# Altium PCB MiGo_V4.0.PcbDoc (part 1 of 2)
Units mm, origin at the board's own origin, x right, y up, seen from the top; angles counter-clockwise.
Board outline 40.15 x 60.15 mm, 4 copper layers (Top Layer, GND, VCC, Bottom Layer), stack 0.98 mm thick; 120 components, 87 nets, 464 pads, 291 vias.
Unrouted connection lines stored in the file: 87.
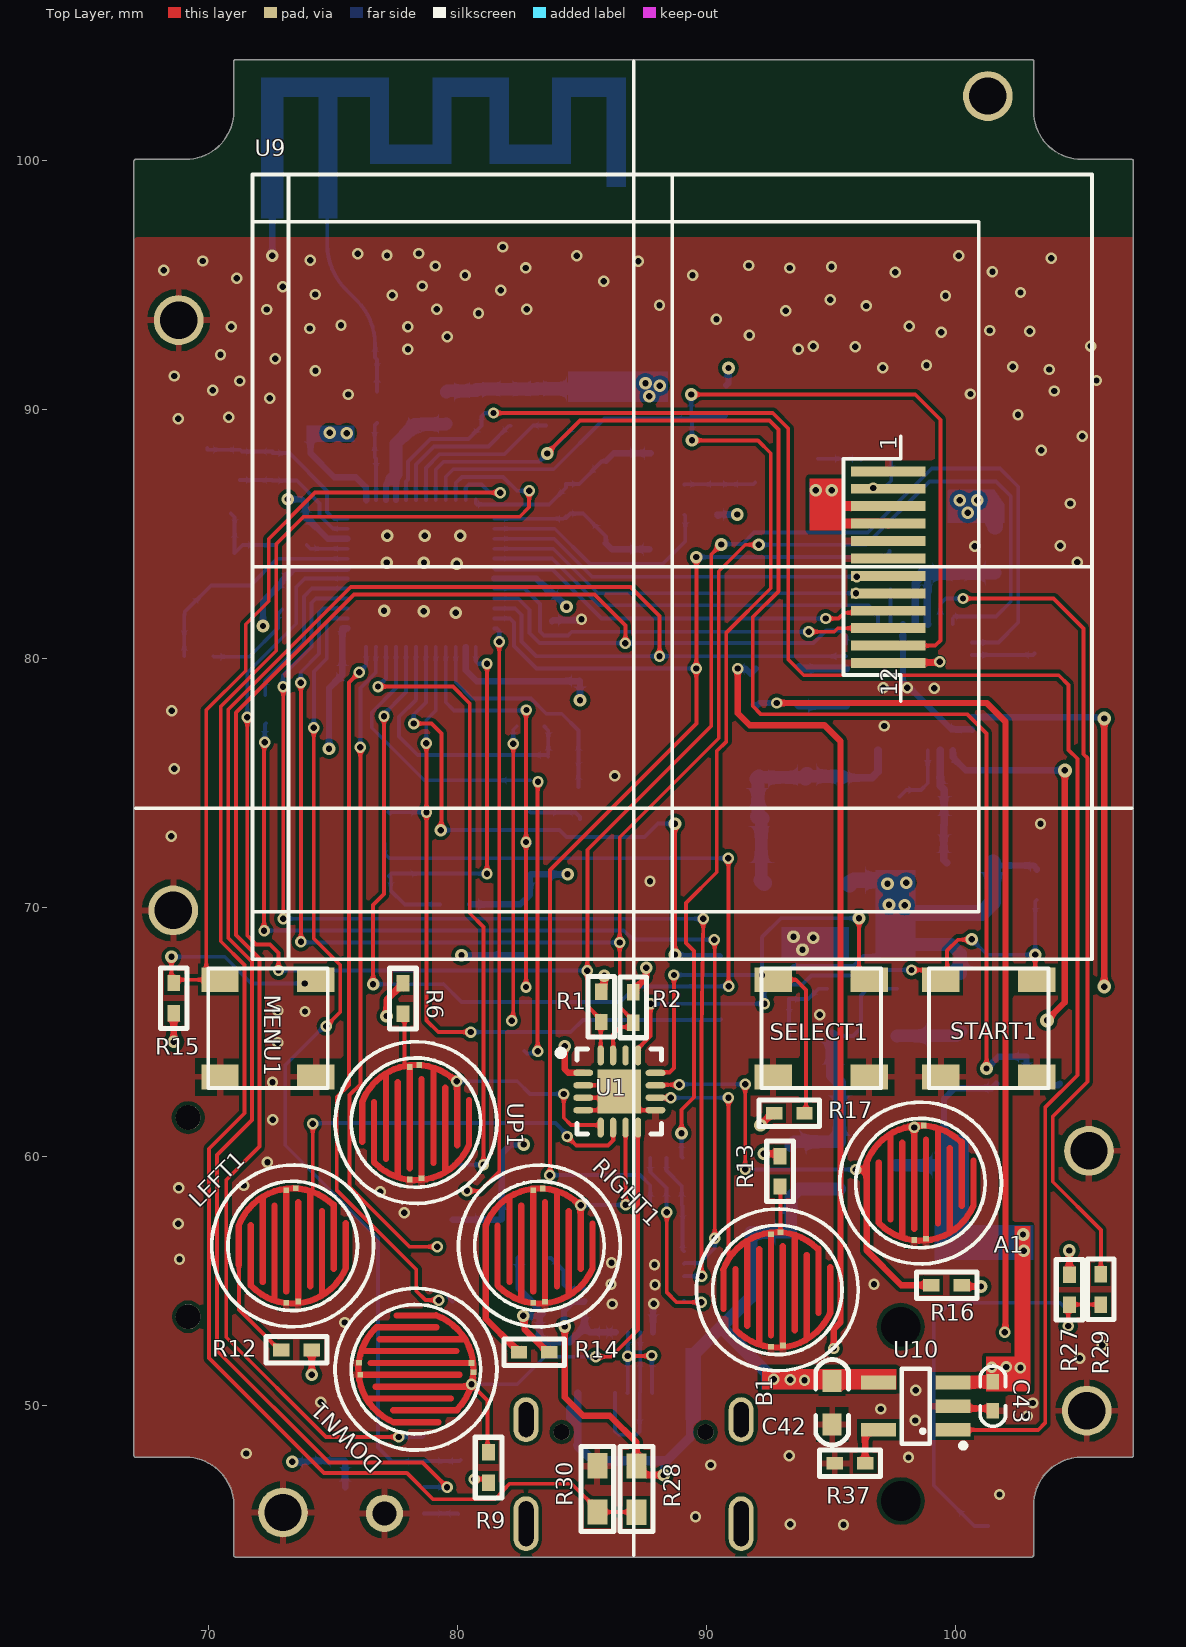
[diagram p0: Top Layer view]
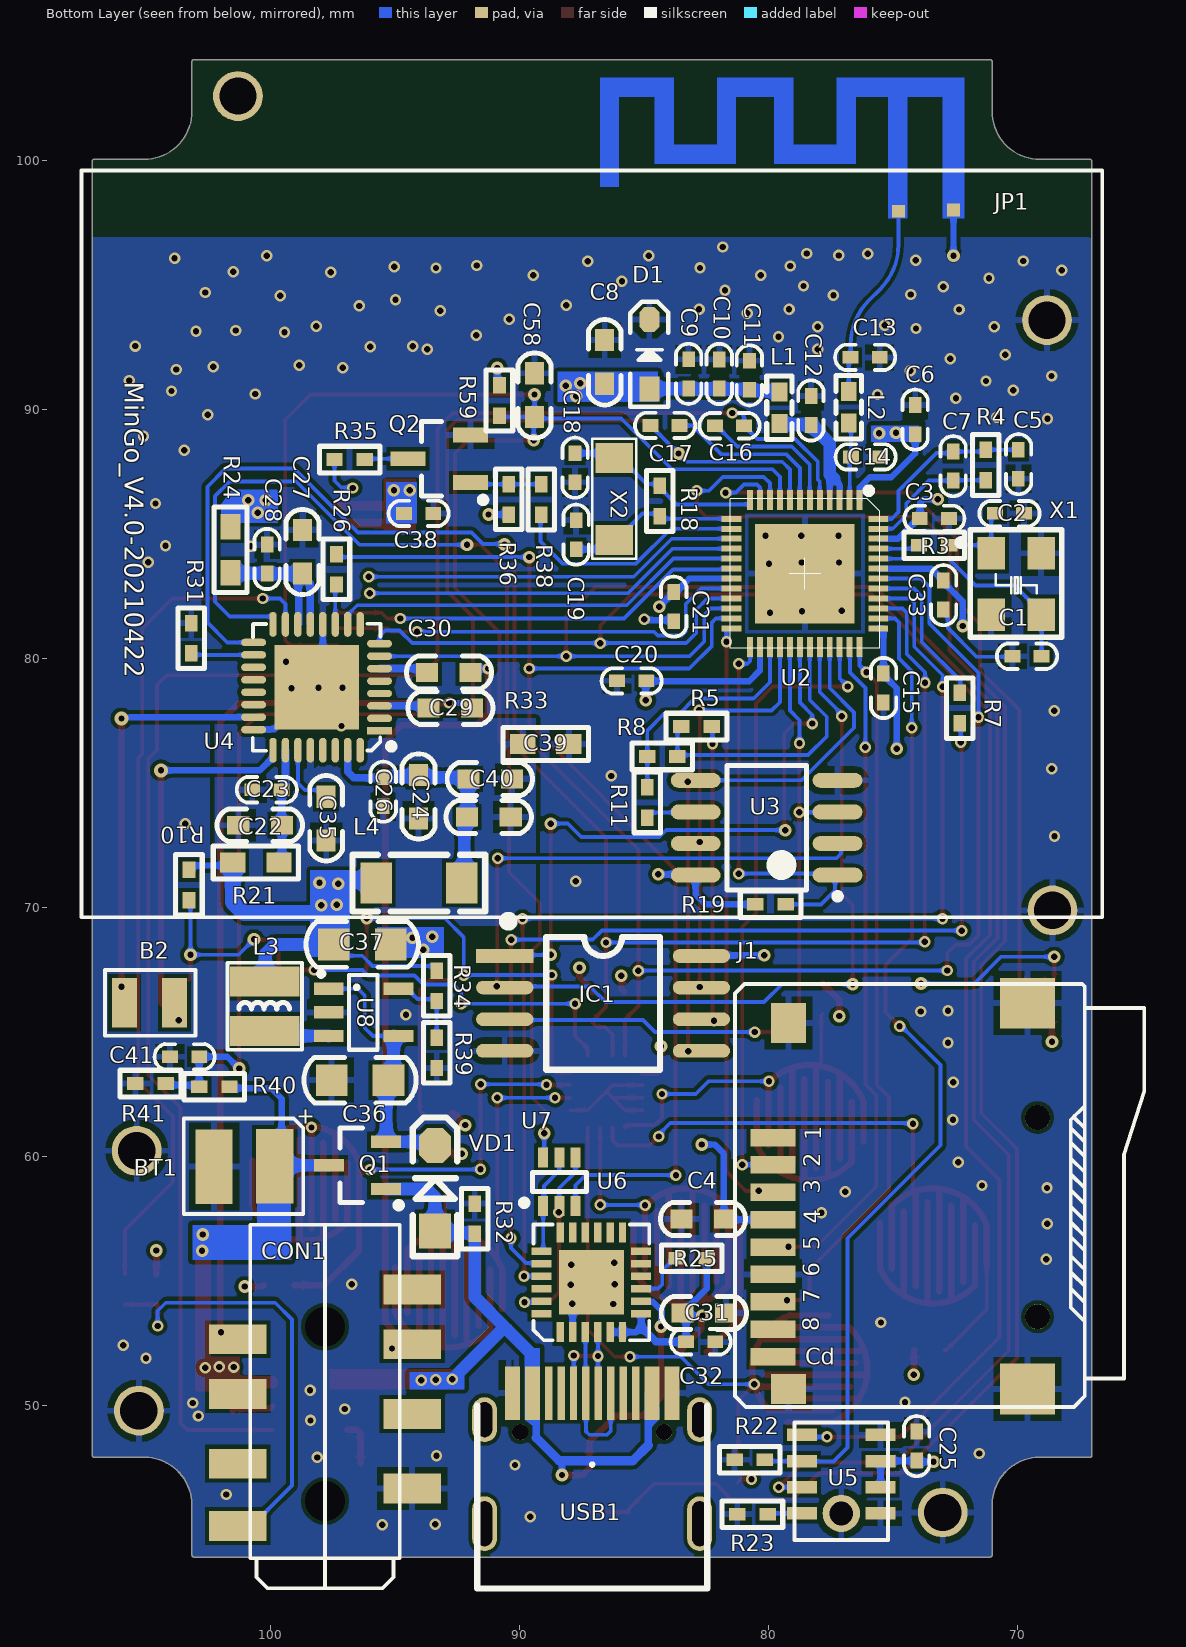
[diagram p1: Bottom Layer view, seen from below]
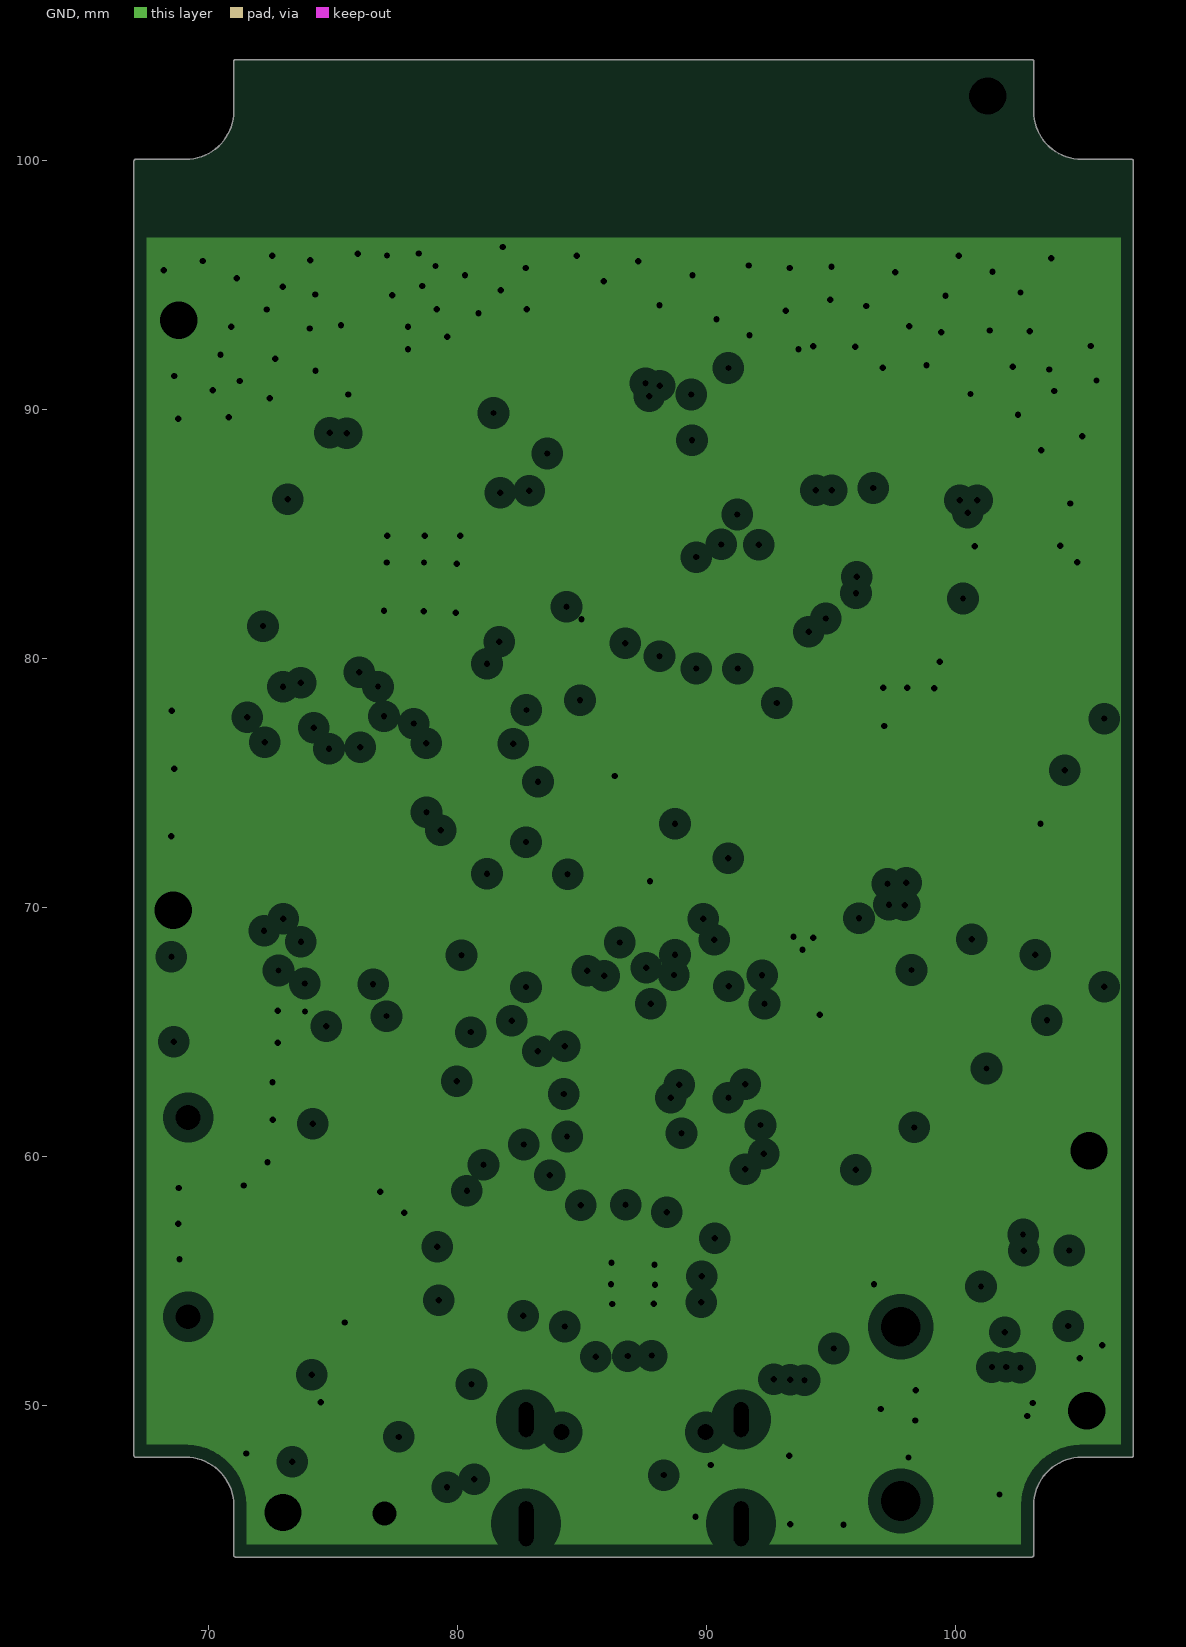
[diagram p2: GND, clearances drawn from the general rule]
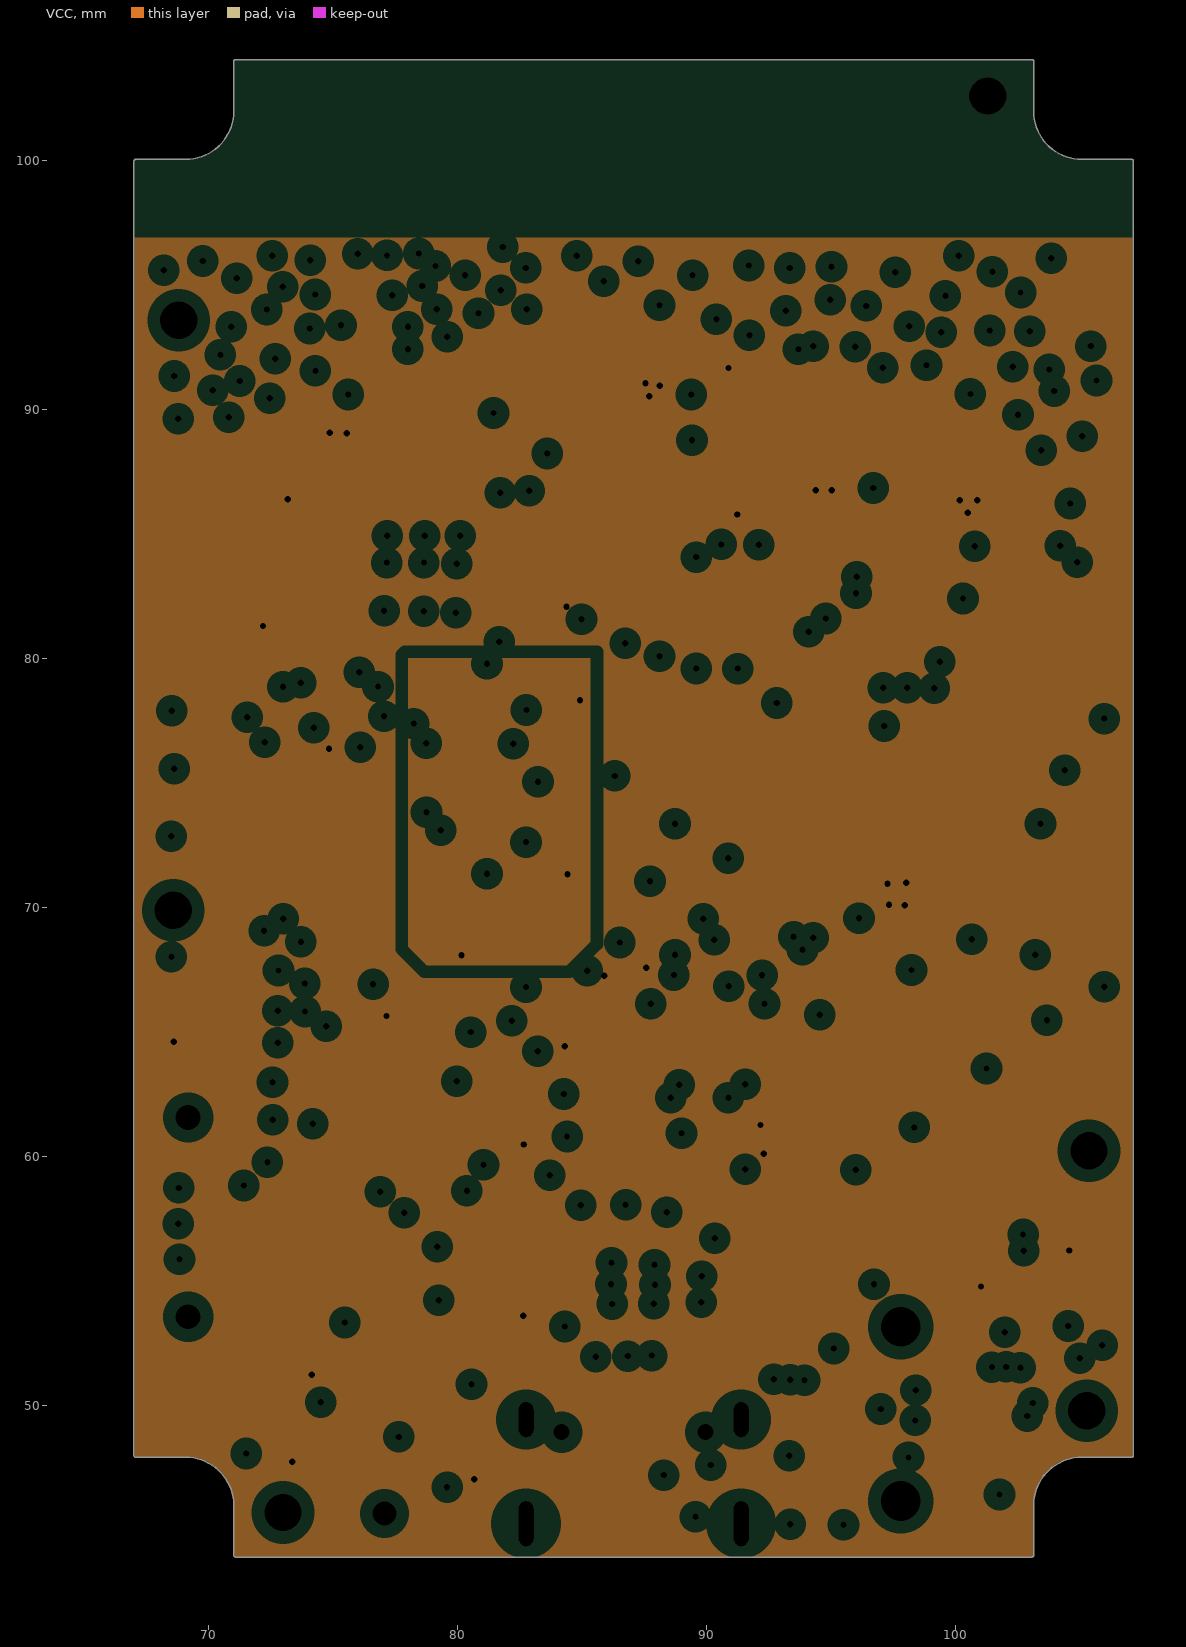
[diagram p3: VCC, clearances drawn from the general rule]
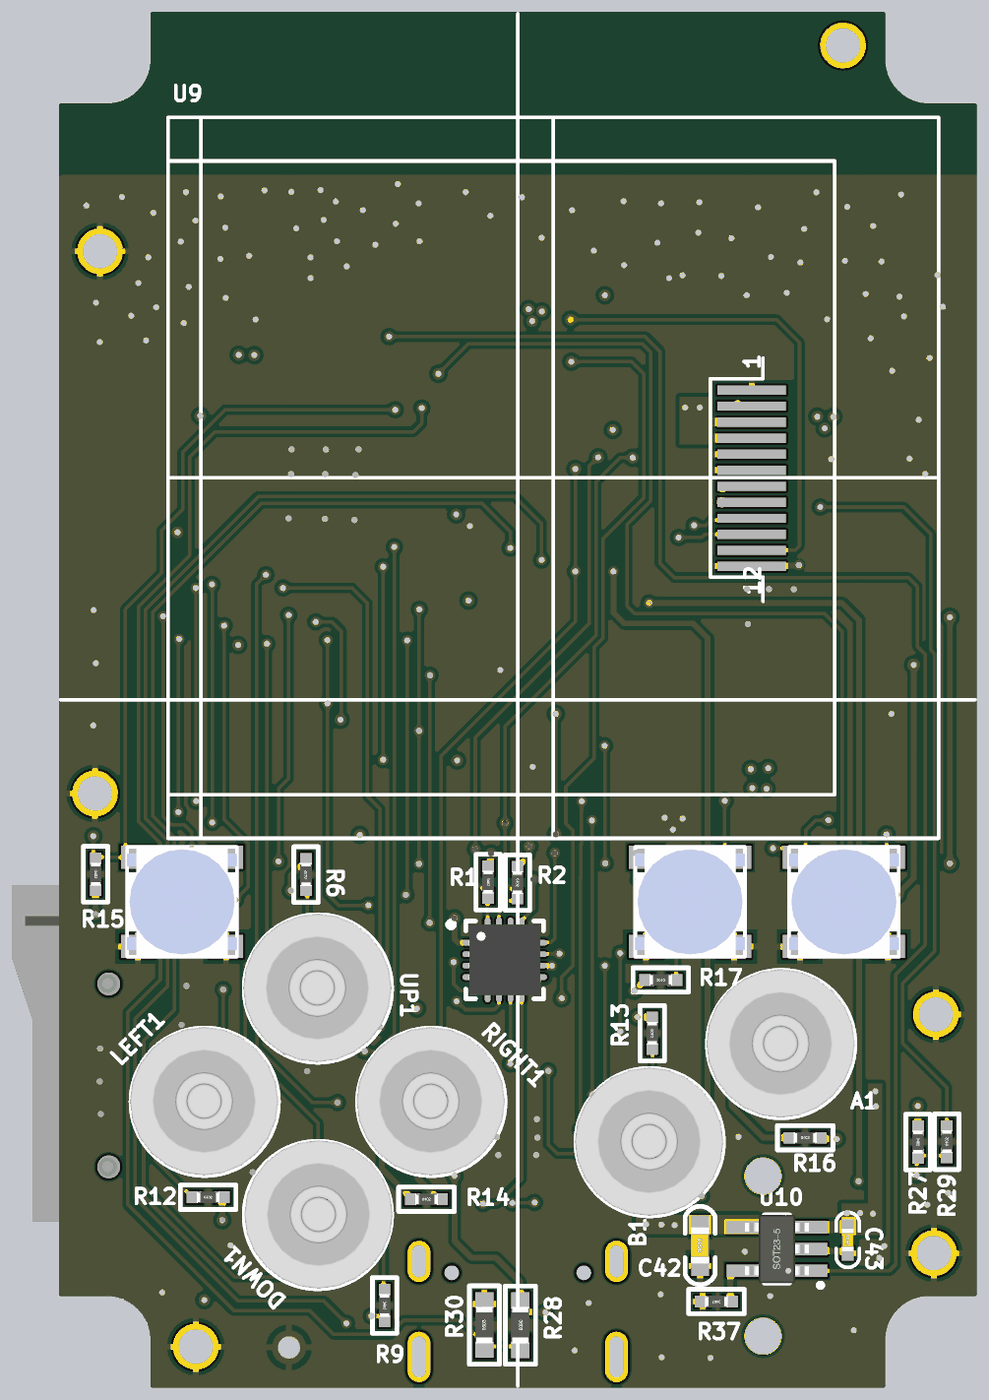
[diagram p5: 3D render of the assembled board from above, using the file's embedded part models]
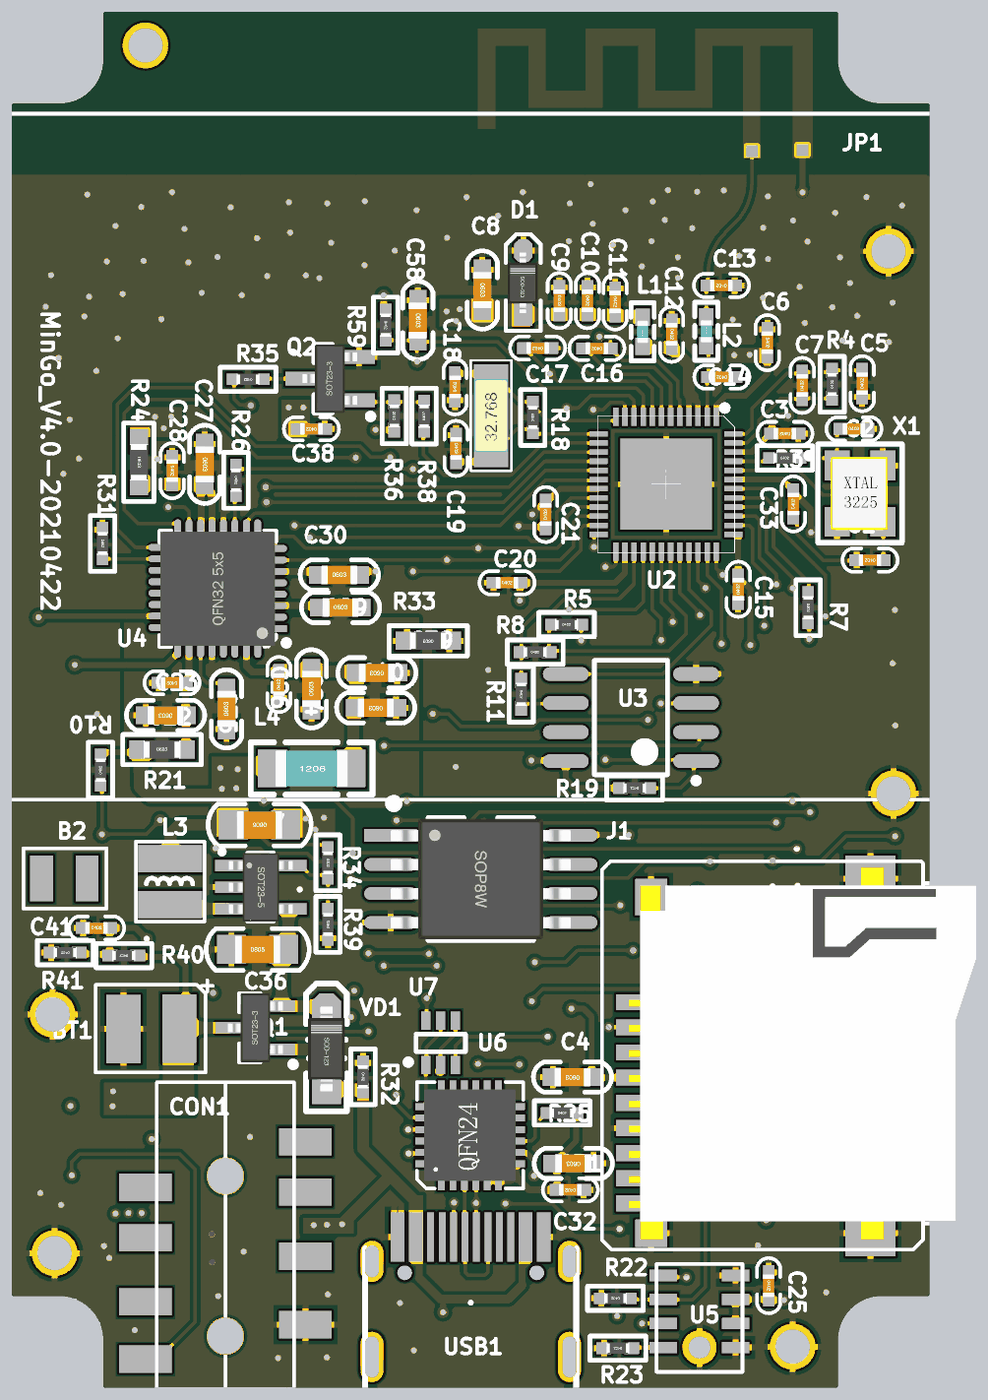
[diagram p6: 3D render of the assembled board from below, using the file's embedded part models]

## Layer stack, top to bottom
Top Solder: solder mask 0.0102, Solder Resist, Dk 3.5
Top Layer: signal copper 0.0356
Dielectric 2: prepreg 0.2, PP-006, Dk 4.1
GND: plane copper 0.035, net GND
Dielectric 3: prepreg 0.2, PP-006, Dk 4.1
VCC: plane copper 0.035, net +3.3V
Dielectric 1: dielectric 0.439, FR-4, Dk 4.8
Bottom Layer: signal copper 0.0356
Bottom Solder: solder mask 0.0102, Solder Resist, Dk 3.5

## Board outline
67.093,47.918 69.082,47.918 ccw(c69.088,47.994) 69.088,47.918 cw(c69.088,45.994) 71.011,45.994 ccw(c71.088,45.994) 71.012,45.989 71.012,44.02 ccw(c71.088,44.02) 71.013,44.004 ccw(c71.088,43.988) 71.088,43.911 103.075,43.911 ccw(c103.075,43.988) 103.151,43.988 ccw(c103.075,43.988) 103.151,43.993 103.151,45.989 ccw(c103.075,45.994) 103.151,45.994 cw(c105.075,45.994) 105.075,47.918 ccw(c105.075,47.994) 105.08,47.918 107.076,47.918 ccw(c107.081,47.994) 107.158,47.994 107.158,99.981 ccw(c107.081,99.981) 107.076,100.057 105.08,100.057 ccw(c105.075,99.981) 105.075,100.058 cw(c105.075,101.981) 103.151,101.981 ccw(c103.075,101.981) 103.151,101.987 103.151,103.982 ccw(c103.075,103.988) 103.151,103.988 ccw(c103.075,103.988) 103.075,104.064 71.088,104.064 ccw(c71.088,103.988) 71.013,103.971 ccw(c71.088,103.956) 71.012,103.956 71.012,101.986 ccw(c71.088,101.981) 71.011,101.981 cw(c69.088,101.981) 69.088,100.058 ccw(c69.088,99.981) 69.082,100.057 67.113,100.057 ccw(c67.113,99.981) 67.098,100.056 ccw(c67.081,99.981) 67.005,99.981 67.005,47.994 ccw(c67.081,47.994) 67.089,47.918 ccw(c67.093,47.994)

## Design rules (kind name [scope] priority, off if disabled: settings)
Clearance [All] p1: gap=0.152 ignorepadtopadclearanceinfootprint=FALSE
MinimumSolderMaskSliver [All] p1: minsoldermaskwidth=0
PlaneClearance [All] p1: clearance=0.508
PlaneConnect [All] p1: pad.planeconnectstyle=Relief pad.reliefexpansion=0.508 pad.reliefentries=4 pad.reliefconductorwidth=0.254 pad.reliefairgap=0.254 via.planeconnectstyle=Direct via.reliefexpansion=0.508 via.reliefentries=4 via.reliefconductorwidth=0.254 via.reliefairgap=0.254
PolygonConnect [All] p1: thpad.connectstyle=Relief thpad.reliefconductorwidth=0.254 thpad.reliefentries=4 thpad.polygonreliefangle="90 Angle" thpad.airgapwidth=0.254 smdpad.connectstyle=Relief smdpad.reliefconductorwidth=0.254 smdpad.reliefentries=4 smdpad.polygonreliefangle="90 Angle" smdpad.airgapwidth=0.254 via.connectstyle=Direct via.reliefconductorwidth=0.254 via.reliefentries=4 via.polygonreliefangle="90 Angle" via.airgapwidth=0.254
RoutingVias [All] p1: holewidth=0.254 width=0.457 viastyle="Through Hole" minholewidth=0.254 minwidth=0.457 maxholewidth=1.27 maxwidth=2.54
SilkToSilkClearance [All] p1: silktosilkclearance=0
SilkToSolderMaskClearance [IsPad] p1: minsilkscreentomaskgap=0 clearancetoexposedcopper=TRUE
SolderMaskExpansion [All] p1: expansion=0.102
Width [All] p1: maxlimit=2.54 minlimit=0.152 preferedwidth=0.152
25 further rules are at their usual default settings.

## Components (designator, comment, footprint, x,y, rotation, side; value= is the part's Value field where it differs from the comment)
A1 "SW SMD-2" "Touch key 3"#1 98.6,58.933 r90 top
B1 "SW SMD-2" "Touch key 3"#2 92.85,54.643 r90 top
B2 "DC5V" "BEEP SMD-2" 105.856,66.175 r270 bottom
BT1 "Battery" "Li-Bettery SMD" 101.275,59.593 r270 bottom
C1 "22pF" "C 0402" 69.606,80.096 r0 bottom
C2 "22pF" "C 0402" 70.312,85.829 r180 bottom
C3 "0.1uF" "C 0402" 73.33,85.631 r0 bottom
C4 "10uF" "C 0603" 82.624,57.485 r0 bottom
C5 "10nF" "C 0402" 69.949,87.81 r90 bottom
C6 "0.1uF" "C 0402" 74.102,89.601 r270 bottom
C7 "3.3nF" "C 0402" 72.573,87.734 r90 bottom
C8 "10uF" "C 0603" 86.571,91.905 r270 bottom
C9 "NC" "C 0402" 83.205,91.44 r270 bottom
C10 "1uF" "C 0402" 81.971,91.435 r270 bottom
C11 "0.1uF" "C 0402" 80.757,91.382 r270 bottom
C12 "NC" "C 0402" 78.285,89.969 r270 bottom
C13 "0.1uF" "C 0402" 76.109,92.104 r0 bottom
C14 "0.1uF" "C 0402" 76.091,88.101 r0 bottom
C15 "0.1uF" "C 0402" 75.372,78.821 r90 bottom
C16 "270pF" "C 0402" 81.557,89.356 r0 bottom
C17 "270pF" "C 0402" 84.148,89.367 r0 bottom
C18 "10pF" "C 0402" 87.762,87.668 r90 bottom
C19 "10pF" "C 0402" 87.723,84.978 r270 bottom
C20 "1uF" "C 0402" 85.489,79.106 r180 bottom
C21 "0.1uF" "C 0402" 83.797,82.088 r90 bottom
C22 "10uF" "C 0603" 100.427,73.307 r0 bottom
C23 "0.1uF" "C 0402" 100.145,74.732 r0 bottom
C24 "10uF" "C 0603" 94.046,74.465 r90 bottom
C25 "0.1uF" "C 0402" 74.041,48.367 r270 bottom
C26 "0.1uF" "C 0402" 95.468,74.653 r90 bottom
C27 "10uF" "C 0603" 98.715,84.28 r270 bottom
C28 "0.1uF" "C 0402" 100.137,84.003 r270 bottom
C29 "1uF" "C 0603" 92.768,78.019 r180 bottom
C30 "1uF" "C 0603" 92.827,79.444 r180 bottom
C31 "4.7uF" "C 0603" 82.588,53.713 r0 bottom
C32 "0.1uF" "C 0402" 82.718,52.558 r0 bottom
C33 "0.1uF" "C 0402" 72.962,82.553 r90 bottom
C35 "10uF" "C 0603" 97.76,73.589 r90 bottom
C36 "4.7uF" "C 0805" 96.398,63.068 r180 bottom
C37 "10uF" "C 0805" 96.314,68.516 r0 bottom
C38 "0.1uF" "C 0402" 94.046,85.833 r0 bottom
C39 "10uF" "C 0603" 91.185,75.165 r0 bottom
C40 "1uF" "C 0603" 91.234,73.637 r0 bottom
C41 "0.1uF" "C 0402" 103.447,64.005 r180 bottom
C42 "1uF" "C 0603" 95.054,50.124 r90 top
C43 "0.1uF" "C 0402" 101.514,50.371 r90 top
C58 "0.1uF" "C 0603" 89.389,90.573 r270 bottom
CON1 "PJ-393-8p" PJ393-8p 94.808,43.859 r0 bottom locked
D1 "" SOD-323 84.78,92.227 r90 bottom
DOWN1 "SW SMD-2" "Touch key 3"#3 78.334,51.456 r0 top
IC1 "W25Qxx" SOP8W_N 86.637,66.149 r180 bottom
J1 "Micro SD" "MY SD CARD" 69.585,50.662 r90 bottom
JP1 "SMA-3" 2.4GANTS10 74.798,97.795 r180 bottom
L1 "2.0nH" "L 0402" 79.555,90.076 r270 bottom
L2 "2.0nF" "L 0402" 76.769,90.1 r270 bottom
L3 "2.2uH" 3015 100.226,66.035 r90 bottom
L4 "10uH" "L 1206" 94.036,70.983 r180 bottom
LEFT1 "SW SMD-2" "Touch key 3"#4 73.381,56.409 r90 top
MENU1 "SW SMD-2" "SW SMD-4.8*4.8*0.5" 72.39,65.151 r0 top
Q1 "SI2301" SOT23-3N 96.497,59.644 r90 bottom
Q2 "SS8050" SOT23-3M 91.966,88.029 r90 bottom
R1 "10k" "R 0402" 85.781,66.012 r270 top
R2 "10k" "R 0402" 87.064,65.989 r270 top
R3 "0" "R 0402" 73.337,84.559 r180 bottom
R4 "20k" "R 0402" 71.267,87.78 r90 bottom
R5 "0" "R 0402" 82.885,77.272 r180 bottom
R6 "10k" "R 0402" 77.813,66.342 r90 top